# KiCad board ttlcalc2.kicad_pcb (continued)
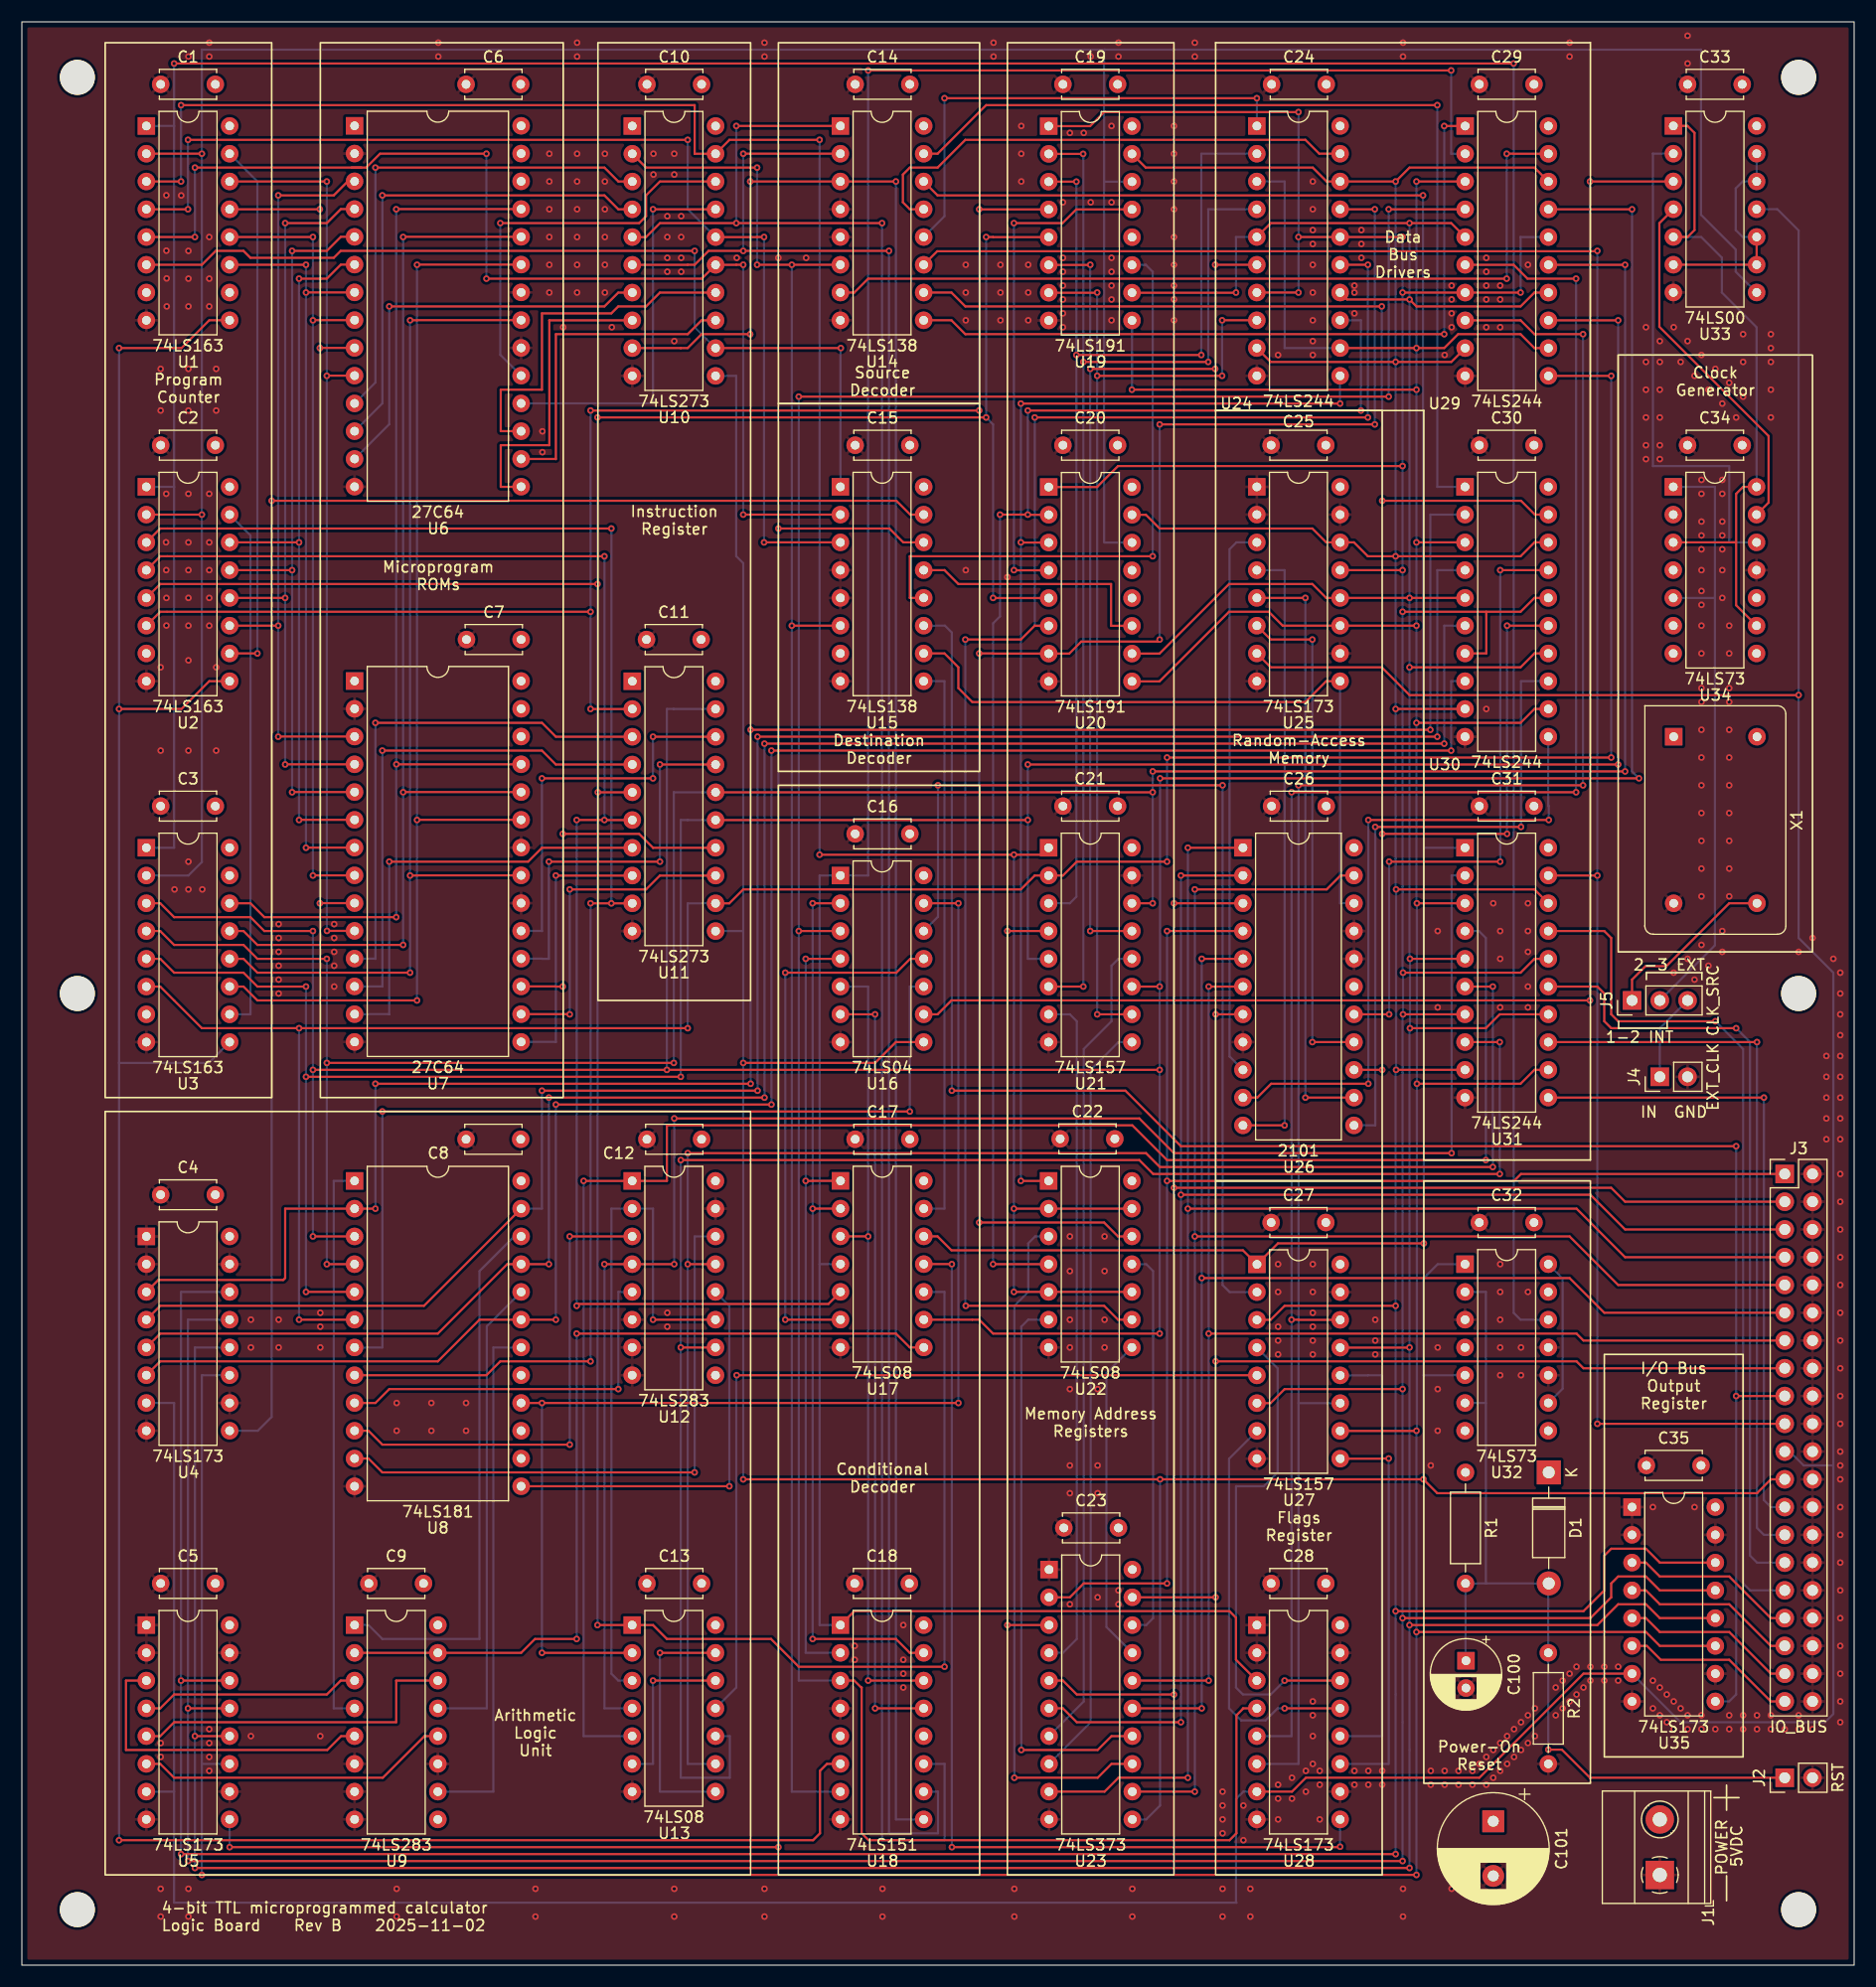
[diagram p0: board, top side]
## Routing (per net, layer and track width the routed paths; a pad name or vN(x,y) marks a point on that pad's centre or on a via; arc(x,y) is an arc through that point)
GND:
  vias: v1(12.7,146.05) v1(12.7,142.24) v1(12.7,118.75) v1(12.7,111.13) v1(12.7,20.32) v1(12.7,19.05) v1(12.7,6.99) v1(12.7,4.45) v1(13.22,161.93) v1(13.22,156.86) v1(13.25,154.33) v1(13.21,134.62) v1(13.19,130.18) v1(13.21,127.64) v1(13.23,125.09) v1(13.23,122.57) v1(13.25,151.77) v1(13.97,98.43) v1(14.58,161.92) v1(15.24,174.62) v1(15.24,156.85) v1(15.24,154.31) v1(15.24,151.77) v1(15.24,146.05) v1(15.24,142.24) v1(15.24,134.62) v1(15.24,130.18) v1(15.24,127.64) v1(15.24,125.1) v1(15.24,122.56) v1(15.24,119.38) v1(15.24,111.13) v1(15.24,100.97) v1(15.24,98.43) v1(15.24,6.99) v1(15.24,4.45) v1(16.51,98.43) v1(17.15,175.9) v1(17.15,174.62) v1(17.15,158.12) v1(17.15,154.31) v1(17.15,151.77) v1(17.15,134.62) v1(17.15,130.18) v1(17.15,127.64) v1(17.15,125.1) v1(17.15,122.56) v1(17.15,21.59) v1(17.15,20.32) v1(17.15,19.05) v1(17.15,17.78) v1(17.78,146.05) v1(17.78,142.24) v1(17.78,118.75) v1(17.78,111.13) v1(20.95,59.06) v1(20.95,56.52) v1(20.95,20.96) v1(23.5,95.25) v1(23.5,93.98) v1(23.5,92.71) v1(23.5,91.44) v1(23.5,90.17) v1(23.5,88.9) v1(23.5,59.06) v1(23.5,56.52) v1(27.3,59.69) v1(27.3,58.42) v1(27.3,56.52) v1(27.3,20.96) v1(28.58,95.25) v1(28.58,93.98) v1(28.58,92.71) v1(28.58,91.44) v1(28.58,89.54) v1(34.29,51.44) v1(34.29,48.9) v1(34.29,6.99) v1(34.29,4.45) v1(37.47,51.44) v1(37.47,48.9) v1(38.1,175.9) v1(38.1,174.62) v1(40.64,51.44) v1(40.64,48.9) v1(46.99,6.99) v1(46.99,4.45) v1(47.63,140.34) v1(47.63,138.43) v1(48.26,165.74) v1(48.26,163.2) v1(48.26,160.66) v1(48.26,158.12) v1(48.26,155.58) v1(48.26,153.04) v1(49.53,149.86) v1(50.8,175.9) v1(50.8,174.62) v1(50.8,165.74) v1(50.8,163.2) v1(50.8,160.66) v1(50.8,158.12) v1(50.8,155.58) v1(50.8,153.04) v1(53.34,165.74) v1(53.34,163.2) v1(53.34,160.66) v1(53.34,158.12) v1(53.34,155.58) v1(53.34,153.04) v1(53.98,149.86) v1(57.79,165.74) v1(57.79,163.83) v1(59.05,160.02) v1(59.05,158.12) v1(59.05,156.21) v1(59.05,154.94) v1(59.05,59.69) v1(59.05,58.42) v1(59.69,165.74) v1(59.69,163.83) v1(59.69,148.59) v1(59.69,6.99) v1(59.69,4.45) v1(60.32,160.02) v1(60.32,158.12) v1(60.32,156.21) v1(60.32,154.94) v1(65.41,156.21) v1(67.94,175.9) v1(67.94,174.62) v1(67.94,6.99) v1(67.94,4.45) v1(69.22,156.21) v1(71.75,156.21) v1(76.2,29.21) v1(76.2,27.94) v1(78.74,6.99) v1(78.74,4.45) v1(80.65,31.12) v1(80.65,27.94) v1(80.65,26.67) v1(80.65,25.4) v1(86.36,155.58) v1(86.36,153.04) v1(86.36,150.5) v1(86.36,127.64) v1(88.9,175.9) v1(88.9,174.62) v1(89.53,155.58) v1(89.53,153.04) v1(89.53,150.5) v1(90.17,127) v1(90.81,6.99) v1(90.81,4.45) v1(91.44,168.28) v1(91.44,165.74) v1(91.44,163.2) v1(92.07,155.58) v1(92.07,153.04) v1(92.07,150.5) v1(95.25,161.29) v1(95.25,156.21) v1(95.25,154.94) v1(95.25,153.67) v1(95.25,152.4) v1(95.25,151.13) v1(95.25,149.86) v1(95.88,167.64) v1(95.88,66.68) v1(95.88,63.5) v1(95.88,59.06) v1(95.88,56.52) v1(95.88,52.71) v1(95.88,45.72) v1(95.88,43.18) v1(95.88,33.02) v1(97.16,167.64) v1(97.79,174.62) v1(97.79,161.29) v1(98.43,52.71) v1(98.43,45.72) v1(98.43,43.18) v1(98.43,33.66) v1(99.06,66.68) v1(99.06,63.5) v1(99.06,59.06) v1(99.06,56.52) v1(99.69,168.28) v1(99.69,161.29) v1(99.69,156.21) v1(99.69,154.94) v1(99.69,153.67) v1(99.69,152.4) v1(99.69,150.5) v1(100.33,175.9) v1(100.33,174.62) v1(100.33,34.29) v1(100.33,33.02) v1(101.6,6.99) v1(101.6,4.45) v1(105.41,168.28) v1(105.41,165.74) v1(105.41,163.2) v1(105.41,160.66) v1(105.41,158.12) v1(105.41,155.58) v1(105.41,153.67) v1(105.41,152.4) v1(105.41,150.5) v1(107.31,175.9) v1(107.31,174.62) v1(109.85,15.88) v1(109.85,14.61) v1(109.85,13.34) v1(109.85,12.07) v1(109.85,6.99) v1(109.85,4.45) v1(111.76,14.61) v1(111.76,11.43) v1(112.39,6.99) v1(112.39,4.45) v1(114.94,147.32) v1(114.94,64.14) v1(114.94,61.59) v1(114.94,58.42) v1(114.94,57.15) v1(114.94,55.88) v1(114.94,16.51) v1(114.94,15.24) v1(114.94,13.34) v1(116.2,17.15) v1(116.2,15.24) v1(117.47,17.78) v1(117.47,15.88) v1(118.11,163.2) v1(118.11,160.66) v1(118.11,158.75) v1(118.11,157.48) v1(118.11,155.58) v1(118.11,153.04) v1(118.11,150.5) v1(118.11,148.59) v1(118.11,147.32) v1(118.11,64.14) v1(118.11,61.59) v1(118.11,59.69) v1(118.11,58.42) v1(118.11,57.15) v1(118.11,55.88) v1(118.11,24.13) v1(118.11,22.86) v1(118.11,20.96) v1(118.11,18.42) v1(118.75,17.78) v1(118.75,16.51) v1(118.75,13.34) v1(121.92,153.67) v1(121.92,153.04) v1(121.92,151.13) v1(121.92,17.78) v1(121.92,16.51) v1(122.56,158.75) v1(122.56,157.48) v1(122.56,156.21) v1(123.19,17.78) v1(123.19,16.51) v1(123.82,59.06) v1(123.82,57.15) v1(123.82,55.88) v1(124.46,17.78) v1(124.46,16.51) v1(126.36,175.9) v1(126.36,174.62) v1(126.36,6.99) v1(126.36,4.45) v1(128.91,45.72) v1(128.91,17.78) v1(128.91,16.51) v1(129.54,94.62) v1(129.54,87.63) v1(129.54,56.52) v1(129.54,52.71) v1(129.54,48.9) v1(130.17,147.32) v1(130.17,17.78) v1(130.17,16.51) v1(130.81,153.67) v1(130.81,152.4) v1(130.81,151.13) v1(130.81,149.86) v1(130.81,6.99) v1(131.44,17.78) v1(131.44,16.51) v1(132.72,17.78) v1(132.72,16.51) v1(133.35,18.42) v1(133.98,156.21) v1(133.98,154.94) v1(133.98,153.67) v1(133.98,152.4) v1(133.98,149.86) v1(133.98,114.94) v1(133.98,19.05) v1(133.98,16.51) v1(134.62,97.16) v1(134.62,19.69) v1(134.62,17.15) v1(135.25,153.67) v1(135.25,152.4) v1(135.25,149.86) v1(135.25,94.62) v1(135.25,92.08) v1(135.25,87.63) v1(135.25,64.14) v1(135.25,61.59) v1(135.25,59.06) v1(135.25,56.52) v1(135.25,53.98) v1(135.25,20.32) v1(135.25,17.78) v1(135.89,20.96) v1(135.89,18.42) v1(136.53,21.59) v1(136.53,19.05) v1(137.16,56.52) v1(137.16,53.98) v1(137.16,22.23) v1(137.16,19.69) v1(137.79,155.58) v1(137.79,97.16) v1(137.79,94.62) v1(137.79,92.71) v1(137.79,89.54) v1(137.79,87.63) v1(137.79,61.59) v1(137.79,22.86) v1(137.79,20.32) v1(138.43,23.5) v1(138.43,20.96) v1(140.34,25.4) v1(140.34,22.86) v1(140.97,26.04) v1(140.97,23.5) v1(141.6,175.9) v1(141.6,174.62) v1(141.6,26.67) v1(141.6,24.13) v1(142.24,27.31) v1(142.24,24.77) v1(142.88,25.4) v1(143.51,27.31) v1(143.51,26.04) v1(144.78,27.31) v1(144.78,26.04) v1(146.05,27.31) v1(146.05,26.04) v1(148.59,149.86) v1(148.59,146.69) v1(148.59,144.15) v1(148.59,141.61) v1(148.59,139.06) v1(148.59,137.8) v1(149.22,41.91) v1(149.22,26.04) v1(149.22,23.5) v1(149.86,148.59) v1(149.86,146.69) v1(149.86,144.15) v1(149.86,141.61) v1(149.86,139.06) v1(149.86,137.8) v1(149.86,25.4) v1(149.86,22.86) v1(150.5,24.77) v1(150.5,22.23) v1(151.13,149.86) v1(151.13,90.81) v1(151.13,24.13) v1(151.13,21.59) v1(151.76,146.69) v1(151.76,23.5) v1(152.4,176.53) v1(152.4,173.99) v1(152.4,148.59) v1(152.4,92.08) v1(152.4,22.86) v1(152.4,21.59) v1(153.03,145.42) v1(153.03,90.17) v1(153.03,41.91) v1(153.67,147.32) v1(153.67,135.89) v1(153.67,134.62) v1(153.67,132.08) v1(153.67,130.81) v1(153.67,129.54) v1(153.67,127.64) v1(153.67,125.73) v1(153.67,124.46) v1(153.67,122.56) v1(153.67,120.02) v1(153.67,116.84) v1(153.67,115.57) v1(153.67,113.03) v1(153.67,110.49) v1(153.67,107.95) v1(153.67,105.41) v1(153.67,102.87) v1(153.67,100.33) v1(153.67,97.79) v1(153.67,93.35) v1(153.67,22.86) v1(153.67,21.59) v1(154.31,144.15) v1(154.31,91.44) v1(154.94,146.05) v1(154.94,21.59) v1(155.57,142.88) v1(155.57,135.89) v1(155.57,134.62) v1(155.57,132.08) v1(155.57,130.81) v1(155.57,129.54) v1(155.57,127.64) v1(155.57,125.1) v1(155.57,94.62) v1(155.57,92.71) v1(156.21,144.78) v1(156.21,122.56) v1(156.21,120.02) v1(156.21,116.84) v1(156.21,115.57) v1(156.21,113.03) v1(156.21,110.49) v1(156.21,107.95) v1(156.21,105.41) v1(156.21,102.87) v1(156.21,100.33) v1(156.21,97.79) v1(156.21,22.86) v1(156.21,21.59) v1(156.84,141.61) v1(157.48,149.23) v1(157.48,146.69) v1(157.48,143.51) v1(157.48,22.86) v1(157.48,21.59) v1(158.75,22.86) v1(158.75,21.59) v1(160.02,149.23) v1(160.02,147.96) v1(160.02,146.69) v1(160.02,144.15) v1(160.02,141.61) v1(160.02,22.86) v1(160.02,21.59) v1(161.29,21.59) v1(162.56,92.71) v1(162.56,22.86) v1(162.56,21.59) v1(163.83,93.98) v1(163.83,21.59) v1(165.1,83.19) v1(165.1,81.28) v1(165.1,79.38) v1(165.1,77.47) v1(165.1,75.57) v1(165.73,92.08) v1(166.37,90.81) v1(166.37,88.9) v1(166.37,87) v1(166.37,85.09) v1(166.37,83.19) v1(166.37,81.28) v1(166.37,79.38) v1(166.37,77.47) v1(166.37,75.57) v1(166.37,72.39) v1(166.37,69.85) v1(166.37,67.31) v1(166.37,64.77) v1(166.37,62.23) v1(166.37,59.69) v1(166.37,57.15) v1(166.37,54.61) v1(166.37,52.07) v1(166.37,49.53) v1(166.37,46.99) v1(166.37,45.72) v1(166.37,44.45) v1(166.37,41.91) v1(166.37,39.37) v1(166.37,36.83) v1(166.37,34.29) v1(166.37,31.75) v1(166.37,29.21) v1(166.37,26.67) v1(166.37,24.13) v1(166.37,22.23)
/A0: length 82.6
  Top w0.2: 27.9,94.62 v1(27.91,94.63) U7.10 ; U6.10 27.91,145.43 v1(27.9,145.42) ; U1.14 v1(27.9,163.2)
  Bottom w0.2: 27.9,94.62 v1(27.9,145.42) v1(27.9,163.2)
/A1: length 78.1
  Top w0.2: 27.28,97.17 U7.9 ; v1(27.27,147.96) 27.28,147.97 U6.9 ; v1(27.27,160.66) U1.13
  Bottom w0.2: v1(27.27,97.16) v1(27.27,147.96) v1(27.27,160.66)
/A2: length 73.7
  Top w0.2: v1(26.63,158.12) U1.12 ; 26.65,99.71 U7.8 ; v1(26.63,150.5) 26.65,150.51 U6.8
  Bottom w0.2: v1(26.63,158.12) v1(26.63,99.7)
/A3: length 69.2
  Top w0.2: v1(26,102.24) 26.01,102.25 U7.7 ; v1(26,153.04) 26.01,153.05 U6.7 ; v1(26,155.58) U1.11
  Bottom w0.2: v1(26,155.58) v1(26,102.24)
/A4: length 66.6
  Top w0.2: U7.6 25.38,104.79 v1(25.36,104.78) ; v1(25.36,154.31) 27.9,154.31 29.19,155.59 U6.6 ; v1(25.36,130.18) U2.14
  Bottom w0.2: v1(25.36,104.78) v1(25.36,130.18) v1(25.36,154.31)
/A5: length 67.2
  Top w0.2: v1(24.73,127.64) 19.01,127.64 ; v1(24.73,107.32) 24.74,107.33 U7.5 ; U6.5 29.19,158.13 27.9,156.85 v1(24.73,156.85)
  Bottom w0.2: v1(24.73,107.32) v1(24.73,127.64) v1(24.73,156.85)
/A6: length 67.8
  Top w0.2: v1(24.09,159.39) 27.9,159.39 29.19,160.67 U6.4 ; v1(24.09,125.1) U2.12 ; U7.4 24.11,109.87 v1(24.09,109.86)
  Bottom w0.2: v1(24.09,159.39) v1(24.09,125.1) v1(24.09,109.86)
/A7: length 68.5
  Top w0.2: v1(23.45,161.93) 28.54,161.93 29.82,163.21 U6.3 ; v1(23.45,122.56) U2.11 ; U7.3 23.47,112.41 v1(23.45,112.4)
  Bottom w0.2: v1(23.45,161.93) v1(23.45,122.56) v1(23.45,112.4)
/A8: length 103.4
  Top w0.2: U6.25 34.27,160.67 v1(34.25,160.66) ; 34.25,109.86 v1(34.27,109.87) U7.25 ; U3.14 20.91,97.16 22.19,95.89 v1(34.25,95.89)
  Bottom w0.2: v1(34.25,160.66) 34.25,109.89 v1(34.27,109.87) 34.25,109.86 v1(34.25,95.89)
/A9: length 102.8
  Top w0.2: v1(34.88,93.35) 21.55,93.35 20.28,94.62 U3.13 ; U7.24 34.9,107.33 v1(34.88,107.32) ; v1(34.88,158.12) 34.9,158.13 U6.24
  Bottom w0.2: v1(34.88,93.35) v1(34.88,107.32) v1(34.88,158.12)
/A10: length 97.1
  Top w0.2: U6.21 36.17,150.51 36.16,150.5 v1(35.52,150.5) ; v1(35.52,90.81) 21.55,90.81 20.28,92.08 U3.12 ; v1(35.52,99.7) 36.16,99.7 36.17,99.71 U7.21
  Bottom w0.2: v1(35.52,90.81) v1(35.52,99.7) v1(35.52,150.5)
/A11: length 104
  Top w0.2: v1(36.16,155.58) 36.17,155.59 U6.23 ; U3.11 20.28,89.54 21.55,88.27 v1(36.16,88.27) ; v1(36.16,104.78) 36.17,104.79 U7.23
  Bottom w0.2: v1(36.16,155.58) v1(36.16,104.78) v1(36.16,88.27)
/CF: length 256.3
  Top w0.2: v1(77.43,173.36) v1(130.77,173.36) ; 112.99,26.04 111.09,27.94 111.09,31.79 110.49,32.39 76.16,32.39 U18.1
  Bottom w0.2: v1(130.77,173.36) 130.77,165.73 U29.2 ; 72.99,64.14 72.99,64.14 U17.4 ; 72.99,64.14 72.99,99.7 U16.1 77.43,99.7 v1(77.43,173.36) ; 72.99,64.14 72.99,31.12 U18.1
/CLK1: length 278.7
  Top w0.2: J3.23 160.02,44.45 158.75,43.18 129.5,43.18 v1(128.23,44.45) v1(104.14,44.45) v1(66,44.45) ; v1(66,82.55) 78.06,82.55 79.97,84.46 U16.8
  Bottom w0.2: 66,94.62 66,128.27 65.36,128.91 65.36,145.41 U10.11 ; 66,94.62 v1(66,82.55) v1(66,44.45) ; 66,94.62 66,94.61 U11.11 ; U32.1 129.54,64.14 128.23,62.83 128.23,53.98 ; U23.11 102.87,13.34 104.14,14.61 v1(104.14,44.45) ; U32.5 128.23,53.98 ; 128.23,53.98 v1(128.23,44.45)
/CLK2a: length 301.8
  Top w0.2: v1(16.47,132.72) U2.2 ; v1(16.47,165.74) U1.2
  Bottom w0.2: U3.2 15.24,99.7 16.47,100.93 v1(16.47,132.72) v1(16.47,165.74) 16.47,175.26 99.06,175.26 ; 99.06,175.26 99.02,175.22 99.02,163.18 ; 99.06,175.26 153.63,175.26 153.63,160.15 156.81,156.97 156.81,154.94 158.7,153.04 U33.8 ; U20.14 99.03,130.16 ; U19.14 99.02,163.18 ; 99.02,163.18 99.02,130.18
/CLK2b: length 416.9
  Top w0.2: U25.7 114.26,118.75 124.42,118.75 126.96,116.21 v1(162.56,116.21) ; U28.7 116.2,15.88 117.47,17.15 133.35,17.15 142.88,26.67 U35.7
  Bottom w0.2: U28.7 111.76,15.88 111.09,15.2 111.09,5.76 111.12,5.72 13.93,5.72 13.93,15.88 ; 165.73,45.72 163.02,45.72 161.75,46.99 J3.21 ; U5.7 13.93,15.88 ; 13.93,15.88 13.93,51.44 U4.7 ; U33.11 160.61,160.66 162.56,158.71 v1(162.56,116.21) 162.56,93.98 165.73,90.81 165.73,22.98 164.98,22.23 151.76,22.23 U35.7
/COUT: length 89.1
  Top w0.2: v1(83.81,107.95) v1(109.85,107.95)
  Bottom w0.2: U16.12 83.82,95.93 83.82,107.95 v1(83.81,107.95) ; U27.2 110.5,61.58 109.85,62.23 v1(109.85,107.95)
/DI0: length 58.7
  Top w0.2: v1(159.38,79.38) U31.11
  Bottom w0.2: v1(159.38,79.38) 159.38,42.55 160.02,41.91 J3.25
/DI1: length 66.3
  Top w0.2: v1(158.75,84.46) U31.13
  Bottom w0.2: v1(158.75,84.46) 158.75,40.01 159.38,39.37 J3.27
/DI2: length 72.5
  Top w0.2: U31.15 144.14,89.54 144.78,88.9 144.78,86.36 145.41,85.73 v1(156.84,85.73)
  Bottom w0.2: v1(156.84,85.73) 158.11,84.46 158.11,37.47 158.75,36.83 J3.29
/DI3: length 79.4
  Top w0.2: U31.17 144.78,94.62 145.41,93.98 145.41,87 146.05,86.36 v1(154.94,86.36)
  Bottom w0.2: J3.31 158.11,34.29 157.48,34.93 157.48,83.82 v1(154.94,86.36)
/DO0: length 16.1
  Top w0.2: J3.33 160.02,31.75 156.21,35.56 149.86,35.56 148.59,36.83 U35.3
/DO1: length 16.1
  Top w0.2: U35.4 148.59,34.29 149.86,33.02 156.21,33.02 160.02,29.21 J3.35
/DO2: length 16.1
  Top w0.2: U35.5 148.59,31.75 149.86,30.48 156.21,30.48 160.02,26.67 J3.37
/DO3: length 16.1
  Top w0.2: U35.6 148.68,29.21 149.95,27.94 156.21,27.94 160.02,24.13 J3.39
/EF: length 266.5
  Top w0.2: U28.4 111.72,23.5 111.72,23.46 111.12,22.86 111.12,12.07 110.49,11.43 77.47,11.43 76.84,12.07 76.84,25.4 76.79,25.4 76.16,26.04 74.89,26.04 ; v1(71.08,143.51) v1(125.06,143.51) ; v1(125.06,160.66) 125.06,160.65 U29.4 ; v1(71.08,94.62) U16.3
  Bottom w0.2: 74.89,26.04 71.08,26.04 v1(71.08,94.62) v1(71.08,143.51) ; v1(125.06,160.66) v1(125.06,143.51)
/EOUT: length 78.9
  Top w0.2: U27.5 112.98,53.98 v1(65.4,53.98)
  Bottom w0.2: U13.11 65.37,25.4 65.37,53.94 v1(65.4,53.98)
/F0: length 162
  Top w0.2: v1(59.68,64.14) U12.4 v1(53.3,64.14) ; v1(59.69,77.47) 102.24,77.47 105.37,74.34 105.37,74.3 v1(130.81,74.3)
  Bottom w0.2: U31.2 130.81,99.7 v1(130.81,74.3) ; v1(59.69,77.47) 59.69,73.91 59.68,73.91 v1(59.68,64.14) ; v1(53.3,64.14) 53.3,23.5 U13.4
/F1: length 166.7
  Top w0.2: v1(133.94,73.66) 104.78,73.66 101.6,76.84 59.02,76.84 59.02,71.76 U12.1 v1(51.4,71.76)
  Bottom w0.2: U31.4 133.31,94.62 133.94,93.98 v1(133.94,73.66) ; v1(51.4,71.76) 51.4,20.96 U13.5
/F2: length 154.2
  Top w0.2: U31.6 v1(134.58,89.54) ; v1(134.58,73.03) 104.12,73.03 102.85,74.3 v1(60.92,74.3) ; v1(60.92,64.14) U12.13
  Bottom w0.2: v1(60.92,74.3) v1(60.92,64.14) 60.92,18.42 U13.9 ; v1(134.58,89.54) v1(134.58,73.03)
/F3: length 160
  Top w0.2: U12.10 v1(60.29,56.52) ; v1(135.22,72.39) 103.5,72.39 102.24,73.66 v1(60.29,73.66) ; v1(135.22,84.46) U31.8
  Bottom w0.2: U13.10 64.77,20.96 64.77,17.15 60.29,17.15 v1(60.29,56.52) v1(60.29,73.66) ; v1(135.22,72.39) v1(135.22,84.46)
/GT: length 73.6
  Top w0.2: 77.43,66.68 U17.3 ; 82.51,26.04 v1(77.43,26.04)
  Bottom w0.2: U16.5 77.43,89.54 v1(77.43,66.68) v1(77.43,26.04)
/H0: length 108
  Top w0.2: v1(91.4,130.18) 91.41,130.16 U20.3 ; U22.1 v1(91.4,71.76) ; v1(91.4,142.88) v1(120.61,142.88)
  Bottom w0.2: v1(91.4,71.76) v1(91.4,130.18) v1(91.4,142.88) ; v1(120.61,142.88) U24.11
/H1: length 128.5
  Top w0.2: U22.4 v1(88.86,64.14) ; v1(92.03,142.24) v1(122.51,142.24) ; v1(89.5,132.72) v1(92.03,132.72) 92.05,132.7 U20.2
  Bottom w0.2: v1(92.03,132.72) v1(92.03,142.24) ; U24.13 122.51,150.5 v1(122.51,142.24) ; v1(88.86,64.14) 88.86,122.77 89.5,123.4 v1(89.5,132.72)
/H2: length 152.2
  Top w0.2: v1(92.67,141.61) v1(123.15,141.61) ; v1(86.32,121.29) 91.4,121.29 92.67,122.56 92.69,122.54 U20.6 ; v1(86.36,60.33) 99.02,60.33 100.29,59.06 U22.9 ; v1(123.15,155.58) U24.15
  Bottom w0.2: v1(123.15,141.61) v1(123.15,155.58) ; U20.6 92.69,122.54 ; v1(86.36,60.33) 86.32,60.37 v1(86.32,121.29) ; 92.67,122.56 v1(92.67,141.61)
/H3: length 145.8
  Top w0.2: v1(123.78,140.97) v1(104.1,140.97) ; U24.17 v1(123.78,160.66) ; U22.12 100.29,66.68 99.02,67.95 v1(87.59,67.95) ; v1(87.59,120.02) 88.86,120.02 88.88,120 U20.7 95.83,120 96.93,121.1 103.91,121.1 v1(104.1,121.29)
  Bottom w0.2: v1(87.59,67.95) v1(87.59,120.02) ; v1(123.78,160.66) v1(123.78,140.97) ; v1(104.1,140.97) v1(104.1,121.29)
/IR0: length 177
  Top w0.2: U14.6 v1(70.44,155.58) v1(67.27,155.58) ; v1(67.27,164.47) 57.12,164.47 U10.2 ; U15.6 v1(70.44,122.56)
  Bottom w0.2: v1(67.27,155.58) v1(67.27,164.47) ; v1(70.44,155.58) v1(70.44,122.56) 70.44,15.88 U18.7
/IR1: length 204.3
  Top w0.2: U10.5 57.1,158.11 58.38,159.39 v1(65.37,159.39) v1(78.7,159.39) ; U14.1 v1(65.37,168.28)
  Bottom w0.2: U18.11 84.42,18.42 84.42,11.46 84.39,11.43 78.74,11.43 78.7,11.47 v1(78.7,159.39) ; v1(65.37,168.28) v1(65.37,159.39)
/IR2: length 196.2
  Top w0.2: U14.2 v1(66,165.74) ; v1(79.34,156.85) v1(66,156.85) 62.82,156.85 61.55,155.58 60.92,155.58 60.91,155.57 U10.6
  Bottom w0.2: v1(79.34,156.85) 79.34,12.11 79.38,12.07 83.82,12.07 83.82,15.88 U18.10 ; v1(66,165.74) v1(66,156.85)
/IR3: length 191
  Top w0.2: v1(66.63,149.23) 62.19,149.23 60.92,147.96 60.29,147.96 60.28,147.95 U10.9 ; v1(79.97,163.2) U14.3 v1(66.63,163.2)
  Bottom w0.2: v1(79.97,163.2) 79.97,13.34 U18.9 ; v1(66.63,163.2) v1(66.63,149.23)
/IR4: length 85.1
  Top w0.2: v1(74.93,147.96) 74.93,147.95 U10.12 ; U1.6 16.47,155.58 17.74,156.85 20.28,156.85 20.91,156.21 28.54,156.21 29.17,156.85 v1(61.55,156.85)
  Bottom w0.2: U15.1 74.89,147.92 v1(74.93,147.96) ; U10.12 61.55,149.87 v1(61.55,156.85)
/IR5: length 107
  Top w0.2: v1(15.84,164.47) 31.08,164.47 30.17,164.47 31.5,164.47 32.77,165.74 v1(42.51,165.74) ; v1(42.51,154.31) 62.21,154.31 U10.15 65.36,155.57 65.37,155.58 v1(66,155.58) ; U1.5 v1(15.84,158.12) ; U15.2 v1(66,132.72)
  Bottom w0.2: v1(66,132.72) v1(66,155.58) ; v1(42.51,165.74) v1(42.51,154.31) ; v1(15.84,164.47) v1(15.84,158.12)
/IR6: length 105.2
  Top w0.2: U10.16 67.27,158.11 67.27,158.12 v1(67.91,158.12) ; U15.3 v1(67.91,130.18) ; U1.4 v1(15.2,160.66) ; v1(15.2,167.01) v1(60.92,167.01)
  Bottom w0.2: v1(67.91,130.18) v1(67.91,158.12) ; v1(15.2,167.01) v1(15.2,160.66) ; U10.16 60.92,160.66 v1(60.92,167.01)
/IR7: length 221.8
  Top w0.2: v1(72.99,101.6) v1(90.77,101.6) 93.31,101.6 U21.1 ; v1(72.99,167.01) 64.73,167.01 64.73,166.99 U10.19 61.56,165.73 61.55,165.74 61.55,170.18 v1(14.57,170.18) ; v1(90.77,61.59) U22.5 U22.10 ; U1.3 v1(14.57,163.2) ; 101.56,69.22 v1(90.77,69.22)
  Bottom w0.2: v1(14.57,170.18) v1(14.57,163.2) ; v1(90.77,61.59) v1(90.77,69.22) v1(90.77,101.6) ; v1(72.99,167.01) v1(72.99,101.6)
/IR8: length 132.6
  Top w0.2: U11.2 52.04,114.93 v1(52.03,114.94) ; v1(52.03,142.24) v1(87.59,142.24) ; v1(87.59,160.66) 87.6,160.64 U19.4 ; v1(52.03,123.83) 12.66,123.83 U2.6
  Bottom w0.2: v1(52.03,142.24) v1(52.03,123.83) v1(52.03,114.94) ; v1(87.59,142.24) v1(87.59,160.66)
/IR9: length 304.7
  Top w0.2: v1(52.66,31.12) U13.1 57.74,31.12 59.02,29.84 68.54,29.84 71.08,27.31 v1(84.41,27.31) ; v1(52.66,126.37) 12.66,126.37 U2.5 ; U19.5 88.88,158.1 88.86,158.12 v1(88.22,158.12) ; U20.5 88.88,125.08 v1(88.86,125.1) ; v1(52.66,141.61) v1(88.22,141.61) ; v1(52.7,107.32) 52.71,107.31 U11.5
  Bottom w0.2: v1(52.66,31.12) 52.66,107.28 v1(52.7,107.32) 52.66,107.35 v1(52.66,126.37) v1(52.66,141.61) ; v1(88.22,158.12) v1(88.22,141.61) 88.86,140.97 v1(88.86,125.1) ; v1(84.41,27.31) 84.41,61.59 82.53,61.59 U17.10
/IR10: length 140.8
  Top w0.2: U11.6 53.3,104.77 v1(53.3,104.78) v1(50.76,104.78) ; U17.5 73.79,60.5 50.93,60.5 v1(50.76,60.33) ; v1(53.3,128.91) 12.66,128.91 11.39,127.64
  Bottom w0.2: v1(50.76,60.33) v1(50.76,104.78) ; v1(53.3,128.91) v1(53.3,104.78)
/IR11: length 145.2
  Top w0.2: v1(52.03,55.25) 43.77,55.25 42.51,53.98 30.44,53.98 ; v1(53.93,131.44) 12.66,131.44 U2.3 ; v1(52.03,97.16) 52.04,97.15 v1(53.93,97.15) U11.9
  Bottom w0.2: v1(53.93,131.44) v1(53.93,97.15) ; v1(52.03,55.25) v1(52.03,97.16)
/IR12: length 230.5
  Top w0.2: U8.6 v1(25.36,59.06) ; v1(145.41,145.41) U29.11 ; v1(104.78,100.97) 96.52,100.97 95.25,99.7 U21.2 92.67,99.7 91.4,98.43 66,98.43 64.72,97.15 U11.12 ; U3.6 12.66,89.54 16.47,85.73 v1(25.36,85.73) v1(60.92,85.73) ; v1(145.41,110.49) v1(104.78,110.49)
  Bottom w0.2: v1(145.41,110.49) v1(145.41,145.41) ; v1(25.36,59.06) v1(25.36,85.73) ; v1(60.92,85.73) 60.92,97.16 ; v1(104.78,100.97) v1(104.78,110.49) ; 60.93,97.15 U11.12
/IR13: length 258.3
  Top w0.2: U8.5 v1(26,61.59) ; v1(26,89.54) 21.55,89.54 20.28,90.81 13.93,90.81 12.66,92.08 U3.5 ; v1(146.05,150.49) U29.13 ; v1(26,81.28) v1(60.29,81.28) ; U11.15 92.03,104.77 v1(92.03,104.78) ; v1(146.05,109.86) v1(92.03,109.86)
  Bottom w0.2: v1(146.05,109.86) v1(146.05,150.49) ; v1(26,61.59) v1(26,81.28) v1(26,89.54) ; v1(60.29,81.28) 60.29,104.78 60.92,104.78 60.93,104.77 U11.15 ; U21.5 92.03,92.08 v1(92.03,104.78) v1(92.03,109.86)
/IR14: length 258.9
  Top w0.2: v1(103.47,97.16) U21.14 ; v1(103.47,107.32) 103.46,107.31 U11.16 ; v1(27.9,82.55) v1(59.65,82.55) ; U8.4 v1(27.9,64.14) ; v1(146.69,155.57) U29.15 ; v1(27.9,92.08) 21.55,92.08 20.28,93.35 13.93,93.35 12.66,94.62 U3.4 ; v1(146.69,109.22) v1(103.47,109.22)
  Bottom w0.2: v1(27.9,92.08) v1(27.9,82.55) v1(27.9,64.14) ; v1(103.47,109.22) v1(103.47,107.32) v1(103.47,97.16) ; U11.16 59.66,107.31 59.65,107.32 v1(59.65,82.55) ; v1(146.69,109.22) v1(146.69,155.57)
/IR15: length 342.2
  Top w0.2: v1(147.32,160.65) U29.17 ; U17.9 86.95,59.06 86.96,59.06 87.59,59.06 88.86,57.79 v1(104.1,57.79) ; v1(26.63,94.62) 22.19,94.62 20.91,95.89 13.93,95.89 12.66,97.16 U3.3 ; v1(147.95,108.59) v1(104.14,108.59) ; U21.11 v1(104.1,89.54) ; v1(104.1,81.92) v1(59.02,81.92) v1(26.63,81.92) ; U8.3 v1(26.63,66.68)
  Bottom w0.2: v1(26.63,94.62) v1(26.63,81.92) v1(26.63,66.68) ; v1(59.02,81.92) 59.02,114.94 59.65,114.94 59.66,114.93 U11.19 ; v1(147.32,160.65) 147.32,109.22 v1(147.95,108.59) ; v1(104.1,57.79) v1(104.1,81.92) v1(104.1,89.54) 104.14,89.58 v1(104.14,108.59)
/L0: length 105.7
  Top w0.2: v1(96.48,163.18) U19.3 ; v1(107.91,147.32) v1(96.48,147.32)
  Bottom w0.2: v1(107.91,147.32) 107.91,165.74 U24.2 ; U21.3 95.88,97.16 96.48,97.75 v1(96.48,147.32) v1(96.48,163.18)
/L1: length 112.4
  Top w0.2: v1(108.54,146.69) v1(97.12,146.69) ; U21.6 v1(97.12,89.54) ; v1(97.1,165.72) U19.2
  Bottom w0.2: v1(97.12,89.54) v1(97.12,146.69) 97.12,165.71 v1(97.1,165.72) ; v1(108.54,146.69) 108.54,160.66 U24.4
/L2: length 93.3
  Top w0.2: v1(97.75,155.58) 97.74,155.56 U19.6 ; U24.6 v1(109.18,155.58) ; U21.13 v1(97.75,94.62) ; v1(109.18,146.05) v1(97.75,146.05)
  Bottom w0.2: v1(97.75,94.62) v1(97.75,146.05) v1(97.75,155.58) ; v1(109.18,155.58) v1(109.18,146.05)
/L3: length 93.3
  Top w0.2: v1(98.38,153.04) 98.37,153.02 U19.7 ; U21.10 v1(98.38,87) ; U24.8 v1(109.81,150.5) ; v1(109.81,145.42) v1(98.38,145.42)
  Bottom w0.2: v1(98.38,153.04) v1(98.38,145.42) v1(98.38,87) ; v1(109.81,150.5) v1(109.81,145.42)
/LE: length 71.1
  Top w0.2: v1(78.06,87) 74.89,87 ; U18.13 v1(78.06,23.5)
  Bottom w0.2: v1(78.06,23.5) v1(78.06,87)
/MA0: length 134.7
  Top w0.2: J3.1 137.16,72.39 136.53,71.76 v1(104.78,71.76) ; v1(104.78,94.62) U26.4 ; v1(104.78,34.93) 97.16,34.93 95.88,33.66 U23.2
  Bottom w0.2: v1(104.78,34.93) v1(104.78,71.76) v1(104.78,94.62)
/MA1: length 147.1
  Top w0.2: v1(105.41,97.16) U26.3 ; J3.3 146.69,69.85 145.41,71.12 v1(105.41,71.12) ; v1(105.41,24.77) 96.52,24.77 95.25,26.04 U23.5
  Bottom w0.2: v1(105.41,24.77) v1(105.41,71.12) v1(105.41,97.16)
/MA2: length 152.3
  Top w0.2: v1(106.04,99.7) U26.2 ; U23.6 95.25,23.5 96.52,22.23 v1(106.04,22.23) ; v1(106.04,70.49) 143.51,70.49 146.69,67.31 J3.5
  Bottom w0.2: v1(106.04,99.7) v1(106.04,70.49) v1(106.04,22.23)
/MA3: length 159.8
  Top w0.2: v1(106.68,17.15) 100.33,17.15 99.06,15.88 U23.9 ; J3.7 146.69,64.77 142.24,69.22 v1(106.68,69.22) ; v1(106.68,102.24) U26.1
  Bottom w0.2: v1(106.68,17.15) v1(106.68,69.22) v1(106.68,102.24)
/MA4: length 159.2
  Top w0.2: v1(107.31,98.43) 119.38,98.43 120.65,99.7 U26.21 ; J3.9 146.05,62.23 141.6,66.68 v1(107.31,66.68) ; v1(107.31,15.88) U23.12
  Bottom w0.2: v1(107.31,15.88) v1(107.31,66.68) v1(107.31,98.43)
/MA5: length 133.4
  Top w0.2: v1(107.95,92.08) U26.5 ; v1(107.95,62.87) 141.6,62.87 144.78,59.69 J3.11 ; U23.15 v1(107.95,23.5)
  Bottom w0.2: v1(107.95,92.08) v1(107.95,62.87) v1(107.95,23.5)
/MA6: length 126.6
  Top w0.2: v1(108.59,89.54) U26.6 ; J3.13 142.88,57.15 142.24,57.79 v1(108.59,57.79) ; v1(108.59,26.04) U23.16
  Bottom w0.2: v1(108.59,26.04) v1(108.59,57.79) v1(108.59,89.54)
/MA7: length 115.8
  Top w0.2: v1(109.22,33.66) U23.19 ; v1(109.22,87) U26.7 ; J3.15 142.88,54.61 142.24,55.25 v1(109.22,55.25)
  Bottom w0.2: v1(109.22,87) v1(109.22,55.25) v1(109.22,33.66)
/MD0: length 60.3
  Top w0.2: v1(123.19,104.78) v1(139.7,104.78) ; U26.10 113.03,79.38 114.3,80.65 v1(123.19,80.65)
  Bottom w0.2: v1(139.7,104.78) 139.7,106.05 139.66,106.09 U30.11 ; v1(123.19,104.78) v1(123.19,80.65)
/MD1: length 58.4
  Top w0.2: v1(123.82,104.14) v1(137.16,104.14)
  Bottom w0.2: v1(137.16,104.14) 137.16,117.48 U30.13 ; U26.12 123.82,76.84 v1(123.82,104.14)
/MD2: length 58.4
  Top w0.2: v1(135.88,122.56) U30.15 ; v1(124.46,103.51) v1(135.88,103.51) ; U26.14 v1(124.46,81.92)
  Bottom w0.2: v1(135.88,103.51) v1(135.88,122.56) ; v1(124.46,81.92) v1(124.46,103.51)
/MD3: length 58.4
  Top w0.2: U26.16 v1(125.09,87) ; v1(125.09,100.97) v1(135.25,100.97) ; v1(135.25,127.64) 139.66,127.64
  Bottom w0.2: v1(135.25,100.97) v1(135.25,127.64) ; v1(125.09,87) v1(125.09,100.97)
/X0: length 191
  Top w0.2: v1(32.34,80.65) v1(66.68,80.65) ; v1(32.34,69.22) 24.09,69.22 24.09,62.87 23.92,62.7 12.49,62.7 U4.3 ; v1(66.68,113.03) v1(128.86,113.03)
  Bottom w0.2: v1(128.86,113.03) 128.86,132.72 U30.2 ; v1(32.34,69.22) v1(32.34,80.65) ; v1(66.68,80.65) v1(66.68,113.03)
/X1: length 183.3
  Top w0.2: U4.4 12.66,60.33 36.79,60.33 45.68,69.22 ; v1(67.31,112.4) v1(129.5,112.4) ; v1(47.59,80.01) v1(67.31,80.01)
  Bottom w0.2: 132.04,127.64 129.5,127.64 v1(129.5,112.4) ; v1(67.31,112.4) v1(67.31,80.01) ; v1(47.59,80.01) 47.59,69.22 45.68,69.22
/X2: length 182.2
  Top w0.2: U4.5 12.66,57.79 38.06,57.79 44.41,64.14 U8.21 v1(48.22,64.14) ; v1(67.94,111.76) v1(130.13,111.76) ; v1(48.22,79.38) v1(67.94,79.38)
  Bottom w0.2: v1(48.22,64.14) v1(48.22,79.38) ; U30.6 130.13,122.56 v1(130.13,111.76) ; v1(67.94,79.38) v1(67.94,111.76)
/X3: length 181.2
  Top w0.2: U4.6 12.66,55.25 38.06,55.25 41.87,59.06 U8.19 v1(48.85,59.06) ; v1(48.85,78.74) v1(68.58,78.74) ; v1(68.58,111.13) v1(130.77,111.13)
  Bottom w0.2: v1(48.85,59.06) v1(48.85,78.74) ; v1(68.58,111.13) v1(68.58,78.74) ; v1(130.77,111.13) 130.77,117.48 U30.8
/XF: length 177.7
  Top w0.2: U29.6 136.49,155.57 137.75,154.31 v1(142.2,154.31) ; U27.14 116.81,59.04 116.8,59.06 v1(116.16,59.06) ; v1(142.2,107.32) v1(116.16,107.32)
  Bottom w0.2: v1(116.16,107.32) v1(116.16,59.06) 116.16,20.96 U28.5 ; v1(142.2,154.31) v1(142.2,107.32)
/Y0: length 29.7
  Top w0.2: 11.39,26.04 9.52,26.04 9.52,19.69 27.94,19.69 29.21,20.96 U9.5
/Y1: length 20.1
  Top w0.2: U5.4 12.66,23.5 13.93,24.77 27.9,24.77 29.17,26.04 30.44,26.04
/Y2: length 31
  Top w0.2: 38.06,26.04 34.25,26.04 34.25,22.23 13.93,22.23 12.66,20.96 U5.5
/Y3: length 28.8
  Top w0.2: U5.6 12.66,18.42 13.93,17.15 33.02,17.15 36.83,20.96 U9.12
/YF: length 175.8
  Top w0.2: v1(116.8,107.95) v1(142.84,107.95) ; v1(142.84,149.23) 138.39,149.23 137.12,150.5 137.11,150.49 U29.8
  Bottom w0.2: U28.6 116.8,18.42 v1(116.8,107.95) ; 116.81,51.42 U27.11 ; v1(142.84,107.95) v1(142.84,149.23)
/Z0: length 499.4
  Top w0.2: U19.15 102.82,164.47 118.11,164.47 119.38,163.2 U24.18 v1(125.69,163.2) 126.96,164.47 138.39,164.47 U29.18 ; 132.04,114.94 v1(125.69,114.94) ; U27.3 114.25,59.04 115.53,60.33 v1(125.69,60.33) ; U30.18 138.39,130.18 137.12,128.91 v1(125.69,128.91) 123.15,128.91 121.88,130.18 U25.14 119.34,130.18 118.07,131.44 104.1,131.44 102.83,132.72 102.81,132.7 U20.15 ; U29.9 130.78,146.69 v1(125.69,146.69) 114.26,146.69 U24.9 ; U31.18 138.39,98.43 v1(125.73,98.43) ; v1(125.69,10.16) v1(14.57,10.16) ; v1(125.69,32.39) 142.88,32.39 144.78,34.29 144.78,37.47 145.41,38.1 148.59,38.1 149.86,36.83 U35.14 ; v1(125.73,81.92) U31.9 ; v1(14.57,26.04) 19.01,26.04
  Bottom w0.2: v1(125.69,10.16) v1(125.69,32.39) v1(125.69,60.33) 125.69,81.88 v1(125.73,81.92) v1(125.73,98.43) 125.69,98.47 125.69,100.71 125.69,100.72 125.69,101.21 125.69,101.22 v1(125.69,114.94) v1(125.69,128.91) v1(125.69,146.69) v1(125.69,163.2) ; v1(14.57,10.16) v1(14.57,26.04) 14.57,61.59 U4.14
/Z1: length 511.9
  Top w0.2: 133.98,123.83 133.98,120.02 U30.7 ; 133.98,123.83 137.12,123.83 138.39,125.1 U30.16 ; 133.98,123.83 v1(126.32,123.83) ; v1(126.36,90.81) 137.12,90.81 138.39,92.08 U31.16 ; v1(126.32,31.75) 143.51,31.75 145.41,33.66 145.41,34.93 146.05,35.56 148.59,35.56 149.86,34.29 U35.13 ; v1(126.32,158.12) U24.16 v1(116.8,158.12) ; U27.6 114.25,51.42 115.53,52.71 v1(126.32,52.71) ; v1(126.36,87) U31.7 ; v1(116.8,153.04) U24.7 ; v1(126.32,127.64) 120.61,127.64 ; v1(126.32,153.04) 126.33,153.03 U29.7 132.04,153.03 137.11,153.03 v1(137.12,153.04) ; v1(15.2,9.53) v1(126.32,9.53) ; v1(126.32,137.16) 100.29,137.16 98.37,135.24 U20.1 ; v1(116.8,169.55) 99.02,169.55 97.74,168.26 U19.1 ; v1(15.2,23.5) U5.13
  Bottom w0.2: v1(15.2,9.53) v1(15.2,23.5) 15.2,59.06 U4.13 ; v1(137.12,153.04) 137.12,158.12 137.12,158.11 U29.16 ; v1(126.32,158.12) v1(126.32,153.04) v1(126.32,137.16) v1(126.32,127.64) v1(126.32,123.83) 126.32,98.68 126.33,98.67 126.33,98.18 126.32,98.17 126.32,90.85 v1(126.36,90.81) v1(126.36,87) 126.32,86.96 126.32,82.17 126.33,82.16 126.33,81.67 126.32,81.66 v1(126.32,52.71) v1(126.32,31.75) v1(126.32,9.53) ; v1(116.8,169.55) v1(116.8,158.12) v1(116.8,153.04)
/Z2: length 473.1
  Top w0.2: U20.10 104.09,120 110.45,126.37 118.07,126.37 119.34,125.1 U25.12 v1(126.96,125.1) U30.5 ; U24.5 114.26,159.39 v1(126.96,159.39) 130.78,159.39 U29.5 ; v1(126.96,56.52) 126.94,56.5 U27.13 ; v1(111.09,153.04) 111.07,153.02 U19.10 ; v1(126.96,8.89) v1(15.84,8.89) ; v1(15.84,20.96) U5.12 ; v1(126.96,118.75) 137.12,118.75 138.39,120.02 U30.14 ; U35.12 149.86,31.75 148.59,33.02 146.05,33.02 144.14,31.12 v1(126.96,31.12) ; v1(127,85.73) 133.94,85.73 135.22,87 U31.14 ; v1(127,92.08) U31.5 ; U29.14 138.38,153.03 137.12,151.77 127.59,151.77 v1(126.96,152.4) 121.25,152.4 U24.14
  Bottom w0.2: v1(126.96,159.39) v1(126.96,152.4) v1(126.96,125.1) v1(126.96,118.75) 126.96,92.12 v1(127,92.08) v1(127,85.73) 126.96,85.69 v1(126.96,56.52) v1(126.96,31.12) v1(126.96,8.89) ; v1(111.09,153.04) 111.09,158.12 U24.5 ; U4.12 15.84,56.52 v1(15.84,20.96) v1(15.84,8.89)
/Z3: length 494.7
  Top w0.2: U24.12 v1(127.59,147.96) 130.13,147.96 131.41,149.23 137.12,149.23 138.39,147.95 U29.12 ; v1(127.59,144.15) v1(101.56,144.15) ; v1(127.59,48.9) 127.58,48.88 U27.10 ; U20.9 104.09,117.46 110.45,123.83 114.09,123.83 115.36,122.56 U25.11 v1(127.59,122.56) ; v1(127.59,8.26) v1(16.47,8.26) ; U35.11 149.86,29.21 148.59,30.48 v1(127.59,30.48) ; U31.12 138.39,81.92 137.12,80.65 v1(127.63,80.65) ; U31.3 v1(127.63,97.16) ; U29.3 127.6,163.19 v1(127.59,163.2) ; 139.66,114.94 138.39,114.94 137.12,113.67 v1(127.59,113.67) ; U30.3 v1(127.59,130.18)
  Bottom w0.2: v1(127.59,8.26) v1(127.59,30.48) v1(127.59,48.9) 127.63,48.94 v1(127.63,80.65) v1(127.63,97.16) 127.59,97.2 v1(127.59,113.67) v1(127.59,122.56) v1(127.59,130.18) v1(127.59,144.15) v1(127.59,147.96) v1(127.59,163.2) ; 16.47,18.42 16.47,53.98 U4.11 ; 16.47,18.42 v1(16.47,8.26) ; 16.47,18.42 U5.11 ; U24.3 115.53,163.2 115.53,147.96 U24.12 ; U19.9 101.57,144.16 v1(101.56,144.15)
/~{CF}: length 83.1
  Top w0.2: U17.2 72.99,69.22 72.99,69.22 v1(72.35,69.22) ; 74.89,97.16 v1(72.35,97.16) ; U18.15 81.24,28.58 79.97,29.84 v1(72.35,29.84)
  Bottom w0.2: v1(72.35,97.16) v1(72.35,69.22) v1(72.35,29.84)
/~{COUT}: length 120
  Top w0.2: U8.16 v1(47.59,51.44) v1(85.69,51.44) ; v1(85.69,97.16) 82.51,97.16 ; U13.2 v1(47.59,28.58)
  Bottom w0.2: v1(85.69,51.44) v1(85.69,97.16) ; v1(47.59,28.58) v1(47.59,51.44)
/~{EF}: length 73
  Top w0.2: 74.89,92.08 v1(71.72,92.08) ; U17.1 72.35,71.76 72.35,71.76 v1(71.72,71.76)
  Bottom w0.2: U18.2 71.72,28.58 v1(71.72,71.76) v1(71.72,92.08)
/~{JMP}: length 242
  Top w0.2: v1(8.89,11.43) 72.39,11.43 73.03,12.07 73.03,17.78 73.66,18.42 U18.6 ; v1(8.89,114.94) 14.61,114.94 17.15,117.48 U2.9 ; v1(8.89,147.96) 14.61,147.96 17.15,150.5 U1.9
  Bottom w0.2: U3.9 17.11,82.55 8.89,82.55 ; v1(8.89,147.96) v1(8.89,114.94) 8.89,82.55 ; v1(8.89,11.43) 8.89,82.55
/~{RALU}: length 193.5
  Top w0.2: U17.12 83.78,66.68 85.05,65.41 111.72,65.41 U27.1 114.92,66.04 v1(128.27,66.04) ; v1(128.19,161.93) 83.78,161.93 U14.14
  Bottom w0.2: v1(128.27,66.04) 128.27,112.4 128.19,112.47 v1(128.19,161.93) ; 128.27,102.24 U31.1
/~{RFlags}: length 69.1
  Top w0.2: v1(130.13,168.27) U29.1 ; v1(130.13,149.23) 86.32,149.23 85.05,150.5 U14.9
  Bottom w0.2: v1(130.13,149.23) v1(130.13,168.27)
